# KiCad board BareDevRev2.kicad_pcb (continued)
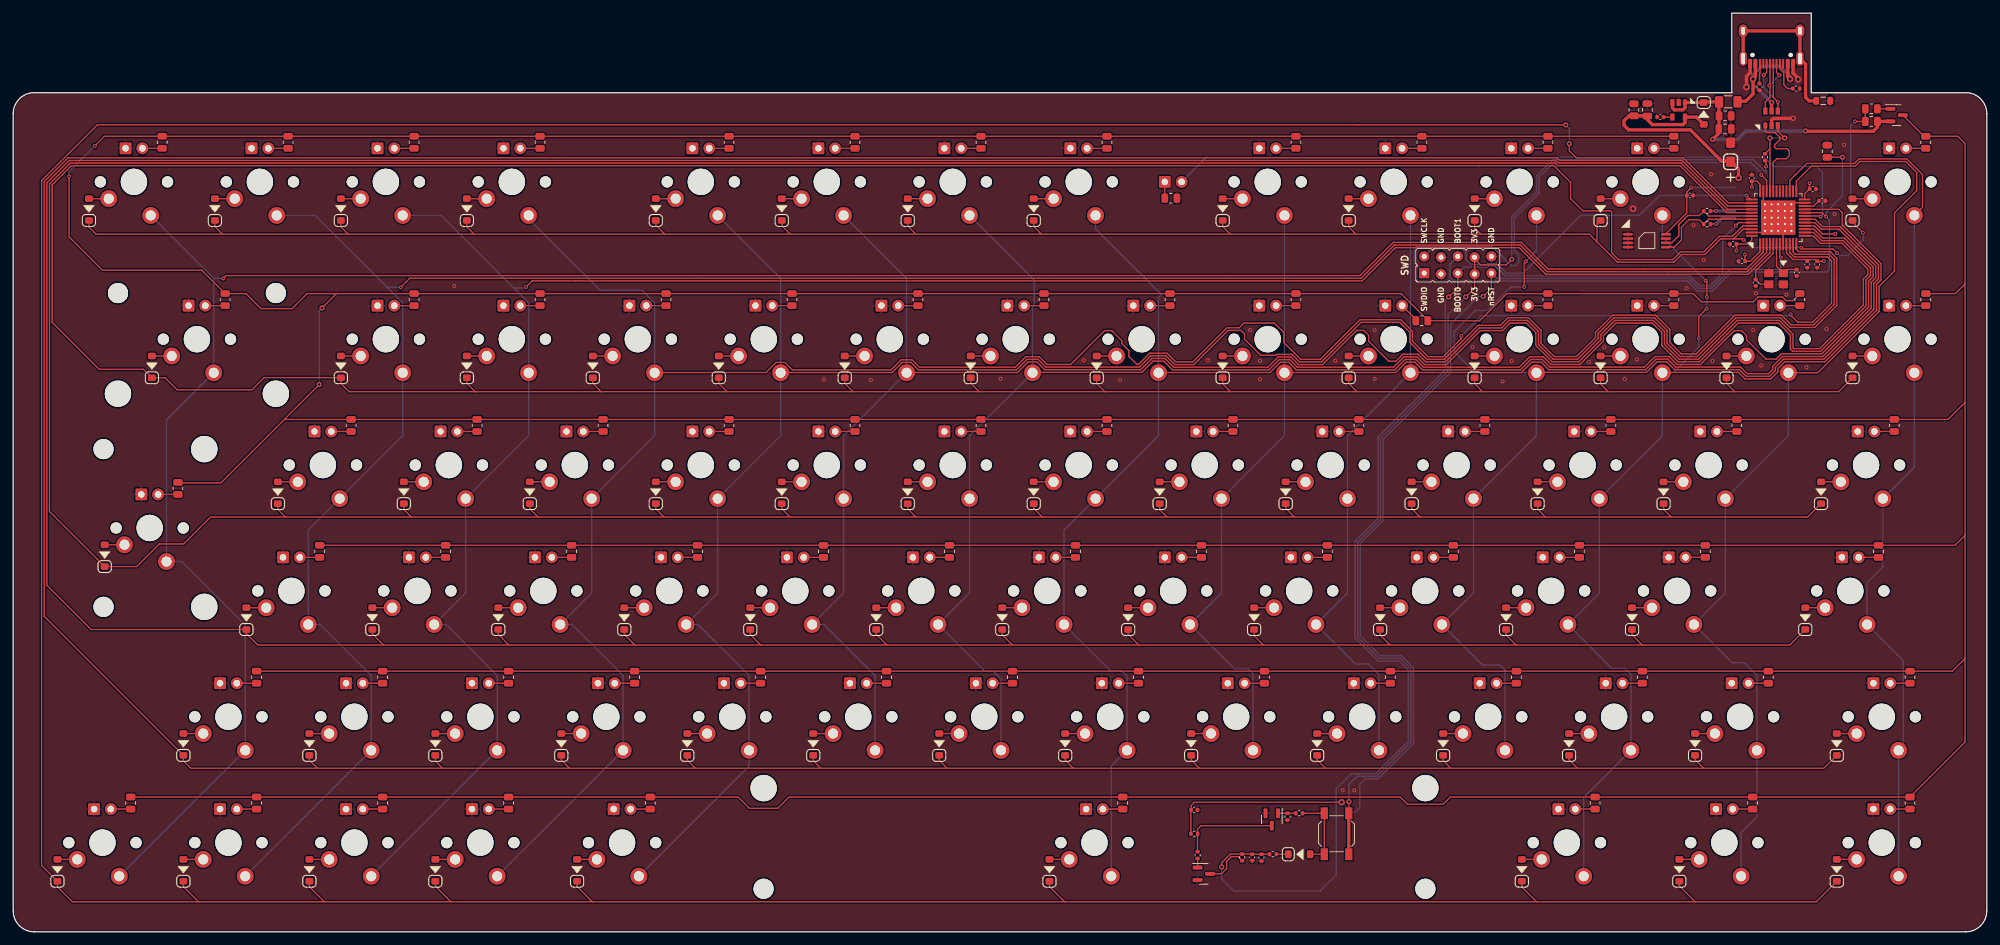
[diagram p0: board, top side]
## Library data of the parts
C1 = -: Package: C0402
C2-C4 C6 C7 C10 = -: Package: C0402; Specification: MLCC 10V or more
C5 = -: Description: Tantallum capacitor 10V or more; Package: CASE A (3216)
C8 C9 C11 = -: Description: MLCC 10V or more; Package: C0402
C201 C202 = -: Manufacturer: Guangdong Fenghua Advanced Tech; Manufacturer Part Number: 0805B105K500NT; Package: C0805; Specification: 50V 1uF X7R ±10% 0805 MLCC; Vendor Part Number: LCSC C215803
C203 = -: Manufacturer: Samsung; Manufacturer Part Number: CL05B103KB5NNNC; Package: C0402; Specification: 50V 10nF X7R ±10% 0402 MLCC; Vendor Part Number: LCSC C15195
C301 = -: Manufacturer: Samsung; Manufacturer Part Number: CL05A106MQ5NUNC; Package: C0402; Specification: 6.3V 10uF X5R ±20% 0402 MLCC; Vendor Part Number: LCSC C15525
C302 = -: Manufacturer: Samsung; Manufacturer Part Number: CL05B104KB54PNC; Package: C0402; Specification: 50V 100nF X7R ±10% 0402  MLCC; Vendor Part Number: LCSC C307331
D201 = -: Manufacturer: Changjiang Electronics Tech; Package: SOD-123; Specification: 1A SOD-123 Schottky Barrier Diodes; Vendor Part Number: LCSC C8598
D301 = -: Manufacturer: Semtech; Package: SOD-123; Specification: Small-signal switching diodes; Vendor Part Number: LCSC C81598
F201 = -: Manufacturer: TECHFUSE; Package: F1206; Specification: 1A hold, 1.8A trip PTC resettable fuse; Vendor Part Number: LCSC C70082
FB401 = -: Manufacturer: Sunlord; Package: L0805; Specification: 600R @ 100MHz ferrite bead; Vendor Part Number: LCSC C1017
J401 = -: Manufacturer: Korean Hroparts; Manufacturer Part Number: TYPE-C-31-M-12; Package: 8.94x7.3mm; Specification: 16-pin USB 2.0 type C connector; Vendor Part Number: LCSC C165948
K_101-K_113 K_115-K_127 K_129-K_141 K_143-K_154 K_156-K_168 K_170-K_177 = -: Keycode: ESC
K_114 = -: Keycode: QUOTE
K_128 = -: Keycode: TAB
K_142 = -: Keycode: CAPS
K_155 = -: Keycode: LSHIFT
K_169 = -: Keycode: CTRL
Q301 Q302 = -: Manufacturer: Changjiang Electronics Tech; Package: SOT-23; Specification: N-channel signal MOSFET transistor; Vendor Part Number: LCSC C8545
R1 R2 R4 = -: Package: R0402
R101-R177 = -: Manufacturer: Uniroyal; Manufacturer Part Number: 0805W8F1001T5E; Package: R0805; Specification: ±1% 125mW Thick Film Resistors 150V 0805; Vendor Part Number: LCSC C17513
R201 R202 = -: Manufacturer: Uniroyal; Manufacturer Part Number: 0805W8F1003T5E; Package: R0805; Specification: ±1% 125mW Thick Film R0805 Resistors; Vendor Part Number: LCSC C149504
R301 = -: Manufacturer: Uniroyal; Manufacturer Part Number: 0402WGF3303TCE; Package: R0402; Specification: ±1% 1/16W Thick Film Resistors 50V 0402; Vendor Part Number: LCSC C25778
R302 = -: Manufacturer: Uniroyal; Manufacturer Part Number: 0402WGF1004TCE; Package: R0402; Specification: ±1% 1/16W Thick Film Resistors 50V 0402; Vendor Part Number: LCSC C26083
R303 R307 R308 = -: Manufacturer: Uniroyal; Manufacturer Part Number: 0402WGF1002TCE; Package: R0402; Specification: ±1% 1/16W Thick Film Resistors 50V 0402; Vendor Part Number: LCSC C25744
R304-R306 = -: Manufacturer: Uniroyal; Manufacturer Part Number: 0402WGF1000TCE; Package: R0402; Specification: ±1% 1/16W Thick Film Resistors 50V 0402; Vendor Part Number: LCSC C25076
R401 R402 = -: Manufacturer: Uniroyal; Manufacturer Part Number: 0402WGF5101TCE; Package: R0402; Specification: ±1% 1/16W Thick Film Resistors 50V 0805; Vendor Part Number: LCSC C25905
SW301 = -: Manufacturer: Korean Hroparts; Package: 5.0x5.0mm; Specification: 5.2mm 1.5mm Round Button SPST; Vendor Part Number: LCSC C92584
U1 = -: Description: TSSOP-8 non-volatile 256Kb (32K x 8) I2C EEPROM; Manufacturer: Shanghai Belling; Package: TSSOP-8; Vendor Part Number: LCSC C691875 (https://lcsc.com/product-detail/EEPROM_BL-Shanghai-Belling-BL24C256A-NTRC_C691875.html)
U2 = -: Description: 32-bit ARM Cortex-M0+ 128kBytes flash microcontroller; Manufacturer: STMicroelectronics; Manufacturer Part Number: STM32F411; Package: UFQFPN-48
U3 = -: Manufacturer: STMicroelectronics; Package: SOT-23-6; Specification: Unidirectional ESD TVS diode; Vendor Part Number: LCSC C7519
U201 = -: Manufacturer: SGMICRO; Package: SOT-23-5; Specification: Fixed 5.5V 3.3V 300mV @ 300mA SOT-23-5 Low Dropout Regulator; Vendor Part Number: LCSC C193687
X1 = -: Specification: 2.54mm pitch 2x4 through hole pin header, staggered
Y1 = -: Description: 8MHz 3225-4P oscillator crystal; Manufacturer: XTY; Package: Y_3225_4P; Vendor Part Number: LCSC C389817 (https://lcsc.com/product-detail/Crystals_XTY-7325-0800A2010-00_C389817.html)

## Footprints (pads in the part's own frame, mm; a bottom-side part is the same pattern mirrored in y, then rotated)
C_0402_1005Metric
  rrect 0.56x0.62 smd: 1(-0.48,0) 2(0.48,0)
C_0805_2012Metric
  rrect 1x1.45 smd: 1(-0.95,0) 2(0.95,0)
CP_EIA-3216-10_Kemet-I_Pad1.58x1.35mm_HandSolder
  rrect 1.575x1.35 smd: 1(-1.438,0) 2(1.438,0)
Crystal_SMD_3225-4Pin_3.2x2.5mm
  rect 1.4x1.2 smd: 1(-1.1,-0.85) 2(1.1,-0.85) 3(1.1,0.85) 4(-1.1,0.85)
D_SOD-123
  rrect 1x1.2 smd: 1(-1.65,0) 2(1.65,0)
Fuse_1206_3216Metric
  rrect 1.25x1.75 smd: 1(-1.4,0) 2(1.4,0)
K2-1187SQ-A4SW-06
  rect 1.8x1.1 smd: 1(-3.1,1.85) 1(3.1,1.85) 2(-3.1,-1.85) 2(3.1,-1.85)
L_0805_2012Metric
  rrect 0.875x1.2 smd: 1(-1.062,0) 2(1.062,0)
LED_THT_2.54mm
  round 0.889 smd: (-1.27,0) (1.27,0)
  round 1.778 hole 1.016: A(-1.27,0)
  rrect 1.778x1.778 hole 0.991: K(1.27,0)
MX100
  round 1.702 hole 1.702 unplated: (-5.08,0) (5.08,0)
  round 1.524 smd: (-2.54,5.08) (3.81,2.54)
  round 3.988 hole 3.988 unplated: (0,0)
  round 2.54 hole 1.524: 1(-2.54,5.08) 2(3.81,2.54)
MX125
  round 1.702 hole 1.702 unplated: (-5.08,0) (5.08,0)
  round 1.524 smd: (-2.54,5.08) (3.81,2.54)
  round 3.988 hole 3.988 unplated: (0,0)
  round 2.54 hole 1.524: 1(-2.54,5.08) 2(3.81,2.54)
MX150
  round 1.702 hole 1.702 unplated: (-5.08,0) (5.08,0)
  round 1.524 smd: (-2.54,5.08) (3.81,2.54)
  round 3.988 hole 3.988 unplated: (0,0)
  round 2.54 hole 1.524: 1(-2.54,5.08) 2(3.81,2.54)
MX175
  round 1.702 hole 1.702 unplated: (-5.08,0) (5.08,0)
  round 1.524 smd: (-2.54,5.08) (3.81,2.54)
  round 3.988 hole 3.988 unplated: (0,0)
  round 2.54 hole 1.524: 1(-2.54,5.08) 2(3.81,2.54)
MX200R
  round 3.988 hole 3.988 unplated: (-11.938,8.255) (0,0) (11.938,8.255)
  round 3.048 hole 3.048 unplated: (-11.938,-6.985) (11.938,-6.985)
  round 1.702 hole 1.702 unplated: (-5.08,0) (5.08,0)
  round 1.524 smd: (-2.54,5.08) (3.81,2.54)
  round 2.54 hole 1.524: 1(-2.54,5.08) 2(3.81,2.54)
MX625
  round 3.048 hole 3.048 unplated: (-50.038,6.985) (50.038,6.985)
  round 3.988 hole 3.988 unplated: (-50.038,-8.255) (0,0) (50.038,-8.255)
  round 1.702 hole 1.702 unplated: (-5.08,0) (5.08,0)
  round 1.524 smd: (-2.54,5.08) (3.81,2.54)
  round 2.54 hole 1.524: 1(-2.54,5.08) 2(3.81,2.54)
MX_ISOEnter
  round 3.988 hole 3.988 unplated: (-8.255,11.938) (-8.255,-11.938) (0,0)
  round 1.702 hole 1.702 unplated: (-5.08,0) (5.08,0)
  round 1.524 smd: (-2.54,5.08) (3.81,2.54)
  round 3.048 hole 3.048 unplated: (6.985,11.938) (6.985,-11.938)
  round 2.54 hole 1.524: 1(-2.54,5.08) 2(3.81,2.54)
PinHeader_2x5_P2.54mm_Vertical_Staggered
  rect 1.524x1.524 hole 0.762: 1(-1.206,5.08)
  oval 1.524x1.524 hole 0.762: 2(1.333,5.08) 3(-1.333,2.54) 4(1.206,2.54) 5(-1.206,0) 6(1.333,0) 7(-1.333,-2.54) 8(1.206,-2.54) 9(-1.206,-5.08) 10(1.333,-5.08)
R_0402_1005Metric
  rrect 0.54x0.64 smd: 1(-0.51,0) 2(0.51,0)
R_0805_2012Metric
  rrect 1.025x1.4 smd: 1(-0.912,0) 2(0.912,0)
SOT-23
  rrect 1.475x0.6 smd: 1(-0.938,0.95) 2(-0.938,-0.95) 3(0.938,0)
SOT-23-5
  rrect 1.06x0.65 smd: 1(-1.1,0.95)
  rect 1.06x0.65 smd: 2(-1.1,0) 3(-1.1,-0.95) 4(1.1,-0.95) 5(1.1,0.95)
SOT-23-6
  rrect 1.06x0.65 smd: 1(-1.1,0.95)
  rect 1.06x0.65 smd: 2(-1.1,0) 3(-1.1,-0.95) 4(1.1,-0.95) 5(1.1,0) 6(1.1,0.95)
STM_UFQFPN-48_LQFP-48-1EP_7x7mm_P0.5mm_HandSoldering_ThermalReliefs
  rrect 1.1x1.1 smd: (-2.04,2.04) (-2.04,0.68) (-2.04,-0.68) (-2.04,-2.04) (-0.68,2.04) (-0.68,0.68) (-0.68,-0.68) (-0.68,-2.04) (0.68,2.04) (0.68,0.68) (0.68,-0.68) (0.68,-2.04) (2.04,2.04) (2.04,0.68) (2.04,-0.68) (2.04,-2.04)
  rrect 1.8x0.3 smd: 1(-4,2.75)
  rect 1.8x0.3 smd: 2(-4,2.25) 3(-4,1.75) 4(-4,1.25) 5(-4,0.75) 6(-4,0.25) 7(-4,-0.25) 8(-4,-0.75) 9(-4,-1.25) 10(-4,-1.75) 11(-4,-2.25) 12(-4,-2.75) 25(4,-2.75) 26(4,-2.25) 27(4,-1.75) 28(4,-1.25) 29(4,-0.75) 30(4,-0.25) 31(4,0.25) 32(4,0.75) 33(4,1.25) 34(4,1.75) 35(4,2.25) 36(4,2.75)
  rect 0.3x1.8 smd: 13(-2.75,-4) 14(-2.25,-4) 15(-1.75,-4) 16(-1.25,-4) 17(-0.75,-4) 18(-0.25,-4) 19(0.25,-4) 20(0.75,-4) 21(1.25,-4) 22(1.75,-4) 23(2.25,-4) 24(2.75,-4) 37(2.75,4) 38(2.25,4) 39(1.75,4) 40(1.25,4) 41(0.75,4) 42(0.25,4) 43(-0.25,4) 44(-0.75,4) 45(-1.25,4) 46(-1.75,4) 47(-2.25,4) 48(-2.75,4)
  round 0.6 hole 0.3: 47(-2,2) 47(-2,1) 47(-2,0) 47(-2,-1) 47(-2,-2) 47(-1,2) 47(-1,1) 47(-1,0) 47(-1,-1) 47(-1,-2) 47(0,2) 47(0,1) 47(0,0) 47(0,-1) 47(0,-2) 47(1,2) 47(1,1) 47(1,0) 47(1,-1) 47(1,-2) 47(2,2) 47(2,1) 47(2,0) 47(2,-1) 47(2,-2)
  rect 5.2x5.2 smd: 49(0,0)
TSSOP-8_4.4x3mm_P0.65mm
  rrect 1.475x0.4 smd: 1(-2.862,0.975)
  rect 1.475x0.4 smd: 2(-2.862,0.325) 3(-2.862,-0.325) 4(-2.862,-0.975) 5(2.862,-0.975) 6(2.862,-0.325) 7(2.862,0.325) 8(2.862,0.975)
USB_C_Receptacle_Hroparts_TYPE-C-31-M-12
  round 0.65 hole 0.65 unplated: (-2.89,-2.051) (2.89,-2.051)
  rrect 0.6x1.45 smd: A1(-3.25,-0.725) A4(-2.45,-0.725) B1(3.25,-0.725) B4(2.45,-0.725)
  rrect 0.3x1.45 smd: A5(-1.25,-0.725) A6(-0.254,-0.725) A7(0.25,-0.725) A8(1.25,-0.725) B5(1.75,-0.725) B6(0.75,-0.725) B7(-0.75,-0.725) B8(-1.75,-0.725)
  oval 1.1x2.2 hole 0.6x1.7: S(-4.3,-1.5) S(4.3,-1.5)
  oval 1.3x1.9 hole 0.6x1.2: S(-4.3,-5.7) S(4.3,-5.7)

## Nets
3V3: C1.2 C2.1 C3.1 C4.2 C5.1 C6.1 C7.1 C10.2 C202.1 D201.2 R1.1 R2.1 R4.1 R202.1 SW301.1 U1.8 U2.1 U2.9 U2.24 U2.36 U2.48 U201.5 X1.7 X1.8
5V: C201.1 D201.1 F201.1 Q1.2 R6.2 R201.1 U201.1 U201.3
GND: C1.1 C2.2 C3.2 C4.1 C5.2 C6.2 C7.2 C8.2 C9.2 C10.1 C11.1 C201.2 C202.2 C203.1 C301.2 C302.2 FB401.1 J401.A1 J401.B1 LED101.K LED102.K LED103.K LED104.K LED105.K LED106.K LED107.K LED108.K LED109.K LED110.K LED111.K LED112.K LED113.K LED114.K LED115.K LED116.K LED117.K LED118.K LED119.K LED120.K LED121.K LED122.K LED123.K LED124.K LED125.K LED126.K LED127.K LED128.K LED129.K LED130.K LED131.K LED132.K LED133.K LED134.K LED135.K LED136.K LED137.K LED138.K LED139.K LED140.K LED141.K LED142.K LED143.K LED144.K LED145.K LED146.K LED147.K LED148.K LED149.K LED150.K LED151.K LED152.K LED153.K LED154.K LED155.K LED156.K LED157.K LED158.K LED159.K LED160.K LED161.K LED162.K LED163.K LED164.K LED165.K LED166.K LED167.K LED168.K LED169.K LED170.K LED171.K LED172.K LED173.K LED174.K LED175.K LED176.K LED177.K Q301.2 Q302.2 R7.2 R201.2 R202.2 R302.2 R307.1 R308.2 R401.1 R402.2 U1.1 U1.2 U1.3 U1.4 U1.7 U2.8 U2.23 U2.35 U2.47 U2.49 U3.2 U201.2 X1.3 X1.4 X1.10 Y1.2 Y1.4
GNDPWR: FB401.2 J401.S
VBUS: F201.2 J401.A4 J401.B4 U3.5
/VLED: Q1.3 R101.1 R102.1 R103.1 R104.1 R105.1 R106.1 R107.1 R108.1 R109.1 R110.1 R111.1 R112.1 R113.1 R114.1 R115.1 R116.1 R117.1 R118.1 R119.1 R120.1 R121.1 R122.1 R123.1 R124.1 R125.1 R126.1 R127.1 R128.1 R129.1 R130.1 R131.1 R132.1 R133.1 R134.1 R135.1 R136.1 R137.1 R138.1 R139.1 R140.1 R141.1 R142.1 R143.1 R144.1 R145.1 R146.1 R147.1 R148.1 R149.1 R150.1 R151.1 R152.1 R153.1 R154.1 R155.1 R156.1 R157.1 R158.1 R159.1 R160.1 R161.1 R162.1 R163.1 R164.1 R165.1 R166.1 R167.1 R168.1 R169.1 R170.1 R171.1 R172.1 R173.1 R174.1 R175.1 R176.1 R177.1
BOOT0: C301.1 R301.1 R302.1 R303.2 U2.44 X1.5
CAPS_INDICATOR: LED1.A U2.19
COL0: K_101.1 K_114.1 K_128.1 K_142.1 K_155.1 K_169.1 U2.27
COL1: K_115.1 K_129.1 K_143.1 K_156.1 K_170.1 U2.25
COL2: K_102.1 K_116.1 K_130.1 K_144.1 K_157.1 K_171.1 U2.21
COL3: K_103.1 K_117.1 K_131.1 K_145.1 K_158.1 U2.18
COL4: K_104.1 K_118.1 K_132.1 K_146.1 K_159.1 U2.17
COL5: K_105.1 K_119.1 K_133.1 K_147.1 K_160.1 U2.15
COL6: K_106.1 K_120.1 K_134.1 K_148.1 K_161.1 K_172.1 U2.14
COL7: K_107.1 K_121.1 K_135.1 K_149.1 K_162.1 U2.13
COL8: K_108.1 K_122.1 K_136.1 K_150.1 K_163.1 U2.12
COL9: K_109.1 K_123.1 K_137.1 K_151.1 K_164.1 K_173.1 U2.11
COL10: K_110.1 K_124.1 K_138.1 K_152.1 K_165.1 K_174.1 U2.10
COL11: K_111.1 K_125.1 K_139.1 K_153.1 K_166.1 K_175.1 U2.4
COL12: K_112.1 K_126.1 K_140.1 K_154.1 K_167.1 K_176.1 U2.3
COL13: K_113.1 K_127.1 K_141.1 K_168.1 K_177.1 U2.2
D+: R4.2 U2.33 U3.3
D-: U2.32 U3.1
DBUS+: J401.A6 J401.B6 U3.4
DBUS-: J401.A7 J401.B7 U3.6
LED_PWM: R5.2 R6.1 U2.16
NRST: C302.1 R305.2 U2.7 X1.9
PB2/BOOT1: R308.1 U2.20 X1.6
ROW0: D_101.1 D_102.1 D_103.1 D_104.1 D_105.1 D_106.1 D_107.1 D_108.1 D_109.1 D_110.1 D_111.1 D_112.1 D_113.1 U2.46
ROW1: D_114.1 D_115.1 D_116.1 D_117.1 D_118.1 D_119.1 D_120.1 D_121.1 D_122.1 D_123.1 D_124.1 D_125.1 D_126.1 D_127.1 U2.45
ROW2: D_128.1 D_129.1 D_130.1 D_131.1 D_132.1 D_133.1 D_134.1 D_135.1 D_136.1 D_137.1 D_138.1 D_139.1 D_140.1 D_141.1 U2.41
ROW3: D_142.1 D_143.1 D_144.1 D_145.1 D_146.1 D_147.1 D_148.1 D_149.1 D_150.1 D_151.1 D_152.1 D_153.1 D_154.1 U2.40
ROW4: D_155.1 D_156.1 D_157.1 D_158.1 D_159.1 D_160.1 D_161.1 D_162.1 D_163.1 D_164.1 D_165.1 D_166.1 D_167.1 D_168.1 U2.39
ROW5: D_169.1 D_170.1 D_171.1 D_172.1 D_173.1 D_174.1 D_175.1 D_176.1 D_177.1 U2.38
SCL: R2.2 U1.6 U2.42
SDA: R1.2 U1.5 U2.43
SWCLK: U2.37 X1.2
SWDIO: U2.34 X1.1
XTAL_IN: C9.1 U2.5 Y1.3
XTAL_OUT: C8.1 U2.6 Y1.1
Net-(C11-Pad2): C11.2 U2.22
Net-(C203-Pad2): C203.2 U201.4
Net-(D301-Pad1): D301.1 R301.2
Net-(D301-Pad2): D301.2 R306.2 SW301.2
Net-(D_101-Pad2): D_101.2 K_101.2
Net-(D_102-Pad2): D_102.2 K_102.2
Net-(D_103-Pad2): D_103.2 K_103.2
Net-(D_104-Pad2): D_104.2 K_104.2
Net-(D_105-Pad2): D_105.2 K_105.2
Net-(D_106-Pad2): D_106.2 K_106.2
Net-(D_107-Pad2): D_107.2 K_107.2
Net-(D_108-Pad2): D_108.2 K_108.2
Net-(D_109-Pad2): D_109.2 K_109.2
Net-(D_110-Pad2): D_110.2 K_110.2
Net-(D_111-Pad2): D_111.2 K_111.2
Net-(D_112-Pad2): D_112.2 K_112.2
Net-(D_113-Pad2): D_113.2 K_113.2
Net-(D_114-Pad2): D_114.2 K_114.2
Net-(D_115-Pad2): D_115.2 K_115.2
Net-(D_116-Pad2): D_116.2 K_116.2
Net-(D_117-Pad2): D_117.2 K_117.2
Net-(D_118-Pad2): D_118.2 K_118.2
Net-(D_119-Pad2): D_119.2 K_119.2
Net-(D_120-Pad2): D_120.2 K_120.2
Net-(D_121-Pad2): D_121.2 K_121.2
Net-(D_122-Pad2): D_122.2 K_122.2
Net-(D_123-Pad2): D_123.2 K_123.2
Net-(D_124-Pad2): D_124.2 K_124.2
Net-(D_125-Pad2): D_125.2 K_125.2
Net-(D_126-Pad2): D_126.2 K_126.2
Net-(D_127-Pad2): D_127.2 K_127.2
Net-(D_128-Pad2): D_128.2 K_128.2
Net-(D_129-Pad2): D_129.2 K_129.2
Net-(D_130-Pad2): D_130.2 K_130.2
Net-(D_131-Pad2): D_131.2 K_131.2
Net-(D_132-Pad2): D_132.2 K_132.2
Net-(D_133-Pad2): D_133.2 K_133.2
Net-(D_134-Pad2): D_134.2 K_134.2
Net-(D_135-Pad2): D_135.2 K_135.2
Net-(D_136-Pad2): D_136.2 K_136.2
Net-(D_137-Pad2): D_137.2 K_137.2
Net-(D_138-Pad2): D_138.2 K_138.2
Net-(D_139-Pad2): D_139.2 K_139.2
Net-(D_140-Pad2): D_140.2 K_140.2
Net-(D_141-Pad2): D_141.2 K_141.2
Net-(D_142-Pad2): D_142.2 K_142.2
Net-(D_143-Pad2): D_143.2 K_143.2
Net-(D_144-Pad2): D_144.2 K_144.2
Net-(D_145-Pad2): D_145.2 K_145.2
Net-(D_146-Pad2): D_146.2 K_146.2
Net-(D_147-Pad2): D_147.2 K_147.2
Net-(D_148-Pad2): D_148.2 K_148.2
Net-(D_149-Pad2): D_149.2 K_149.2
Net-(D_150-Pad2): D_150.2 K_150.2
Net-(D_151-Pad2): D_151.2 K_151.2
Net-(D_152-Pad2): D_152.2 K_152.2
Net-(D_153-Pad2): D_153.2 K_153.2
Net-(D_154-Pad2): D_154.2 K_154.2
Net-(D_155-Pad2): D_155.2 K_155.2
Net-(D_156-Pad2): D_156.2 K_156.2
Net-(D_157-Pad2): D_157.2 K_157.2
Net-(D_158-Pad2): D_158.2 K_158.2
Net-(D_159-Pad2): D_159.2 K_159.2
Net-(D_160-Pad2): D_160.2 K_160.2
Net-(D_161-Pad2): D_161.2 K_161.2
Net-(D_162-Pad2): D_162.2 K_162.2
Net-(D_163-Pad2): D_163.2 K_163.2
Net-(D_164-Pad2): D_164.2 K_164.2
Net-(D_165-Pad2): D_165.2 K_165.2
Net-(D_166-Pad2): D_166.2 K_166.2
Net-(D_167-Pad2): D_167.2 K_167.2
Net-(D_168-Pad2): D_168.2 K_168.2
Net-(D_169-Pad2): D_169.2 K_169.2
Net-(D_170-Pad2): D_170.2 K_170.2
Net-(D_171-Pad2): D_171.2 K_171.2
Net-(D_172-Pad2): D_172.2 K_172.2
Net-(D_173-Pad2): D_173.2 K_173.2
Net-(D_174-Pad2): D_174.2 K_174.2
Net-(D_175-Pad2): D_175.2 K_175.2
Net-(D_176-Pad2): D_176.2 K_176.2
Net-(D_177-Pad2): D_177.2 K_177.2
Net-(J401-PadA5): J401.A5 R401.2
Net-(J401-PadB5): J401.B5 R402.1
Net-(LED1-PadK): LED1.K R7.1
Net-(LED101-PadA): LED101.A R101.2
Net-(LED102-PadA): LED102.A R102.2
Net-(LED103-PadA): LED103.A R103.2
Net-(LED104-PadA): LED104.A R104.2
Net-(LED105-PadA): LED105.A R105.2
Net-(LED106-PadA): LED106.A R106.2
Net-(LED107-PadA): LED107.A R107.2
Net-(LED108-PadA): LED108.A R108.2
Net-(LED109-PadA): LED109.A R109.2
Net-(LED110-PadA): LED110.A R110.2
Net-(LED111-PadA): LED111.A R111.2
Net-(LED112-PadA): LED112.A R112.2
Net-(LED113-PadA): LED113.A R113.2
Net-(LED114-PadA): LED114.A R114.2
Net-(LED115-PadA): LED115.A R115.2
Net-(LED116-PadA): LED116.A R116.2
Net-(LED117-PadA): LED117.A R117.2
Net-(LED118-PadA): LED118.A R118.2
Net-(LED119-PadA): LED119.A R119.2
Net-(LED120-PadA): LED120.A R120.2
Net-(LED121-PadA): LED121.A R121.2
Net-(LED122-PadA): LED122.A R122.2
Net-(LED123-PadA): LED123.A R123.2
Net-(LED124-PadA): LED124.A R124.2
Net-(LED125-PadA): LED125.A R125.2
Net-(LED126-PadA): LED126.A R126.2
Net-(LED127-PadA): LED127.A R127.2
Net-(LED128-PadA): LED128.A R128.2
Net-(LED129-PadA): LED129.A R129.2
Net-(LED130-PadA): LED130.A R130.2
Net-(LED131-PadA): LED131.A R131.2
Net-(LED132-PadA): LED132.A R132.2
Net-(LED133-PadA): LED133.A R133.2
Net-(LED134-PadA): LED134.A R134.2
Net-(LED135-PadA): LED135.A R135.2
Net-(LED136-PadA): LED136.A R136.2
Net-(LED137-PadA): LED137.A R137.2
Net-(LED138-PadA): LED138.A R138.2
Net-(LED139-PadA): LED139.A R139.2
Net-(LED140-PadA): LED140.A R140.2
Net-(LED141-PadA): LED141.A R141.2
Net-(LED142-PadA): LED142.A R142.2
Net-(LED143-PadA): LED143.A R143.2
Net-(LED144-PadA): LED144.A R144.2
Net-(LED145-PadA): LED145.A R145.2
Net-(LED146-PadA): LED146.A R146.2
Net-(LED147-PadA): LED147.A R147.2
Net-(LED148-PadA): LED148.A R148.2
Net-(LED149-PadA): LED149.A R149.2
Net-(LED150-PadA): LED150.A R150.2
Net-(LED151-PadA): LED151.A R151.2
Net-(LED152-PadA): LED152.A R152.2
Net-(LED153-PadA): LED153.A R153.2
Net-(LED154-PadA): LED154.A R154.2
Net-(LED155-PadA): LED155.A R155.2
Net-(LED156-PadA): LED156.A R156.2
Net-(LED157-PadA): LED157.A R157.2
Net-(LED158-PadA): LED158.A R158.2
Net-(LED159-PadA): LED159.A R159.2
Net-(LED160-PadA): LED160.A R160.2
Net-(LED161-PadA): LED161.A R161.2
Net-(LED162-PadA): LED162.A R162.2
Net-(LED163-PadA): LED163.A R163.2
Net-(LED164-PadA): LED164.A R164.2
Net-(LED165-PadA): LED165.A R165.2
Net-(LED166-PadA): LED166.A R166.2
Net-(LED167-PadA): LED167.A R167.2
Net-(LED168-PadA): LED168.A R168.2
Net-(LED169-PadA): LED169.A R169.2
Net-(LED170-PadA): LED170.A R170.2
Net-(LED171-PadA): LED171.A R171.2
Net-(LED172-PadA): LED172.A R172.2
Net-(LED173-PadA): LED173.A R173.2
Net-(LED174-PadA): LED174.A R174.2
Net-(LED175-PadA): LED175.A R175.2
Net-(LED176-PadA): LED176.A R176.2
Net-(LED177-PadA): LED177.A R177.2
Net-(Q1-Pad1): Q1.1 R5.1
Net-(Q301-Pad1): Q301.1 R304.2
Net-(Q301-Pad3): Q301.3 R303.1
Net-(Q302-Pad1): Q302.1 R306.1 R307.2
Net-(Q302-Pad3): Q302.3 R304.1 R305.1

Pads without a net: J401 A8 B8; U2 26 28 29 30 31

## Via types
v1: diameter 0.6, hole 0.3, Top to Bottom, 73 vias
v2: diameter 1, hole 0.5, Top to Bottom, 7 vias
v3: diameter 0.8, hole 0.4, Top to Bottom, 17 vias

## Routing (per net, layer and track width the routed paths; a pad name or vN(x,y) marks a point on that pad's centre or on a via; arc(x,y) is an arc through that point)
3V3: length 250.8
  Top w0.2: v1(260.59,103.1) C3.1 262.31,104.1 262.91,104.7 U2.48 ; C4.2 263.69,113.62 264.16,113.15 U2.36 ; SW301.1 201.99,17.96 v3(201.99,19.7) ; v1(271.66,113.3) C10.2 270.91,111.7 U2.24 ; U2.9 268.16,102.75 269.16,101.75 271.05,101.75 ; U1.8 249.91,105.65 253.08,108.81 C1.2 253.08,111.97 v1(253.76,112.65) ; v1(261.89,102.5) C2.1 262.7,101.5 264.16,102.96 U2.1 ; v3(219.66,96.09) 221,97.43 X1.7 X1.8 221,101.8 221.85,100.94 225.78,100.94 v3(226.6,101.77) ; v1(273.81,101.5) C6.1 272.55,101.75 271.05,101.75 ; 262.94,113.62 v1(262.94,112.7) ; R4.1 265.06,116.58 v1(265.06,115.85) ; 271.05,101.75 C7.1 ; R2.1 v1(257.51,109.1) ; 256.67,107.15 v1(257.56,107.15)
  Top w0.5: v2(260.91,114.1) 260.91,115.46 259.81,116.56 C5.1 259.61,116.66 258.34,116.66 253.63,121.37 244.28,121.37 243.59,122.07 243.59,122.76 244.33,123.5 R202.1 247.09,123.5 C202.1 247.12,122.93 247.88,122.17 252.51,122.17 252.81,122.47 U201.5 254.54,123.32 D201.2 ; SW301.1 SW301.1
  Bottom w0.2: v3(226.6,101.77) 226.6,108.2 230.36,111.95 230.36,114.37 232.84,116.84 263.16,116.84 265.06,114.94 v1(265.06,115.85) ; v3(201.99,19.7) 201.99,22.29 203.21,23.52 206.2,23.52 211.36,28.67 211.36,39.79 209.75,41.4 206.53,41.4 203.31,44.63 203.31,58.95 206.77,62.42 206.77,74.68 216.96,84.87 216.96,93.4 v3(219.66,96.09) ; v1(253.76,112.65) 260.51,112.65
  Bottom w0.5: 260.31,108.1 258.51,108.1 v1(257.56,107.15) ; v1(257.51,109.1) 260.31,109.1
5V: length 43.6
  Top w0.5: U201.3 250.91,124.71 251.21,124.42 252.52,124.42 252.81,124.71 U201.1 D201.1 255.74,125.62 F201.1 R201.1 257.96,121.56 ; Q1.2 R6.2 281.91,121.78 281.29,121.17 271.06,121.17 v3(271.03,121.2) ; v3(256.99,119.93) 257.92,120.87 C201.1
  Bottom w0.5: v3(256.99,119.93) 260.72,119.93 262,121.21 271.01,121.21 v3(271.03,121.2)
GND: length 18.8
  Top w0.2: U2.8 267.66,106.15 ; U2.23 268.86,110.35 ; U2.35 264.66,110.05 ; U2.47 264.96,105.85
  Top w0.5: J401.B1 262.66,130.01 262.11,129.46 v2(262.11,127.86) ; v3(269.16,123.12) 266.2,123.12 265.91,122.83 U3.2 ; v2(269.91,129.02) 269.91,129.2 269.16,129.96 J401.A1
  vias: v1(66.7,97.73) v1(122.61,83.58) v1(129.7,83.53) v1(149.3,83.71) v1(161.88,86.5) v1(167.39,83.56) v1(180.67,86.5) v1(187.05,91.1) v1(188.55,86.4) v1(188.55,83.63) v1(199.93,86.43) v1(201.04,21.4) v1(202.8,21.4) v1(205.87,91.05) v1(205.9,83.71) v1(220.68,88.51) v1(225.23,83.3) v1(226.6,86.37) v1(238.28,86.25) v1(240.62,88.48) v1(243.69,83.66) v1(245.55,86.6) v1(253.06,97.42) v1(254.11,106.95) v1(255.64,101.68) v1(256.76,114.65) v1(256.95,86.4) v1(263.12,91.1) v1(263.56,96.65) v1(264.34,85.71) v1(268.16,96.45) v1(271.17,85.44) v1(274.22,91.23) v1(275.43,108.65) v1(276.91,119.1) v2(244.96,109.45)
GNDPWR: length 25
  Top w0.5: FB401.2 271.58,125.77 271.05,126.31 271.05,131.32 J401.S J401.S J401.S J401.S
VBUS: length 22.9
  Top w0.5: v2(263.11,129.06) 263.11,126.82 262,125.72 260.86,125.72 F201.2 ; J401.A4 268.36,129.41 ; U3.5 v3(265.91,125.53) ; J401.B4 263.46,129.41
  Bottom w0.5: v2(268.71,129.06) 268.71,129.53 267.23,131.01 264.44,131.01 263.11,129.67 v2(263.11,129.06) 263.11,128.33 v3(265.91,125.53)
/VLED: length 1724.6
  Top w0.2: 295.16,98.06 295.16,80.14 ; 295.16,98.06 293.7,96.6 R114.1 ; 295.16,98.06 295.16,119.31 294.07,120.41 R101.1 288.96,120.41 Q1.3 ; 295.16,80.14 292.57,77.55 R128.1 R129.1 R130.1 R131.1 R132.1 R133.1 R134.1 R135.1 R136.1 R137.1 R138.1 R139.1 R140.1 41.01,77.55 ; 295.16,80.14 295.16,60.02 ; 48.84,96.6 48.84,96.56 v3(46.7,94.42) ; 48.84,96.6 R126.1 R125.1 R124.1 R123.1 R122.1 R121.1 R120.1 R119.1 209.88,96.6 213.92,92.56 R118.1 221.75,92.48 225.86,96.6 R117.1 R116.1 254.04,96.6 255.29,95.35 263.11,95.35 263.84,96.08 267.55,96.08 268.08,95.55 269.12,95.55 R115.1 ; 48.84,96.6 44.45,96.6 42.17,94.32 37.46,94.32 35.19,96.6 R127.1 28.51,100.14 13.49,100.14 8.44,105.2 v1(8.44,114.34) ; R168.1 R167.1 R166.1 R165.1 R164.1 R163.1 R162.1 R161.1 R160.1 R159.1 R158.1 R157.1 R156.1 R155.1 293.24,39.45 295.16,41.37 ; v3(46.28,82.84) 41.01,77.57 41.01,77.55 ; 295.16,41.37 295.16,60.02 ; 295.16,41.37 295.16,28.72 R169.1 R170.1 R171.1 217.33,20.4 216.24,19.31 210.84,19.31 209.75,20.4 R172.1 167.78,20.4 117.32,20.4 115.61,18.69 111.33,18.69 109.62,20.4 R173.1 R174.1 R175.1 R176.1 R177.1 ; R141.1 24.99,67.94 31.41,67.94 41.01,77.55 ; 295.16,60.02 293.64,58.5 R142.1 R143.1 R144.1 R145.1 R146.1 R147.1 R148.1 R149.1 R150.1 R151.1 R152.1 R153.1 R154.1 ; R102.1 R103.1 R104.1 R105.1 R106.1 R107.1 R108.1 R109.1 R110.1 R111.1 R112.1 R113.1 13.8,120.41 v1(12.32,118.94)
  Bottom w0.2: v3(46.28,82.84) 46.28,94 v3(46.7,94.42) ; v1(12.32,118.94) 8.44,115.05 v1(8.44,114.34)
BOOT0: length 191.9
  Top w0.2: v1(260.51,106.9) 260.96,107.35 U2.44 ; X1.5 218.46,97.45 v3(217.08,96.07) ; v3(182.74,9.79) 182.74,10.47 184.04,11.77 R303.2 187.34,11.77 C301.1 R302.1 R301.1
  Bottom w0.2: X1.5 219.39,100.62 222.97,100.62 223.1,100.74 224.19,100.74 225.65,99.28 253.2,99.28 253.53,99.28 255.02,97.79 256.6,97.79 258.51,99.7 258.51,104.9 v1(260.51,106.9) ; v3(182.74,9.79) 182.74,8.04 184.61,6.17 197.6,6.17 200.07,8.63 200.07,21.65 202.33,23.92 206.03,23.92 210.96,28.84 210.96,39.63 209.58,41 206.37,41 202.91,44.46 202.91,59.12 206.37,62.58 206.37,74.84 216.56,85.04 216.56,95.56 v3(217.08,96.07)
CAPS_INDICATOR: length 108.7
  Top w0.2: U2.19 273.21,108.35 v1(273.32,108.23)
  Bottom w0.2: v1(273.32,108.23) 273.61,108.53 273.61,114.95 272.74,115.83 266.25,115.83 264.83,117.24 180.43,117.24 LED1.A
COL0: length 136.3
  Top w0.2: U2.27 268.66,113.74 269.5,114.58 269.51,114.58 271.22,116.3 278.41,116.3 279.1,116.98 286.36,116.98 288.74,114.61 288.74,109.67 K_101.1
  Bottom w0.2: K_101.1 K_114.1 287.5,70.33 K_128.1 282.73,55.24 280.35,52.85 K_142.1 285.81,41.05 285.81,28.16 K_155.1 K_169.1
COL1: length 150.7
  Top w0.2: K_115.1 272.89,84.61 282.17,93.89 282.17,97.68 284.48,99.99 284.48,108.8 287.86,112.18 287.86,114.92 286.2,116.58 279.26,116.58 278.58,115.9 271.95,115.9 269.66,113.61 U2.25
  Bottom w0.2: K_170.1 261.3,15.01 263.68,17.39 K_156.1 263.68,38.82 261.77,40.73 259.94,40.73 K_143.1 258.92,51.28 K_129.1 268.45,75.09 K_115.1
COL2: length 181.3
  Top w0.2: v1(256.11,96.08) 256.11,98.39 v1(255.93,98.57) ; v1(254.89,89.83) 254.89,93.13 v1(256.09,94.33) ; K_116.1 249.46,84.67 260.89,84.67 261.88,83.68 265.76,83.68 266.88,84.8 266.88,85.26 267.89,86.27 273.99,86.27 281.77,94.06 281.77,97.99 282.45,98.67 282.45,101.13 276.58,107 276.58,108.85 276.09,109.35 U2.21
  Bottom w0.2: K_102.1 249.4,105.1 v1(255.93,98.57) ; v1(256.11,96.08) 256.11,94.35 v1(256.09,94.33) ; K_171.1 237.49,20.32 K_157.1 244.63,38.94 243.67,39.9 241.72,39.9 K_144.1 239.87,51.28 K_130.1 249.4,75.09 K_116.1 251.02,84.61 254.89,88.48 v1(254.89,89.83)
COL3: length 188.4
  Top w0.2: K_117.1 230.41,84.67 246.99,84.67 248.59,86.27 250.07,86.27 251.27,85.07 261.05,85.07 262.04,84.08 265.6,84.08 266.48,84.96 266.48,85.43 267.72,86.67 273.82,86.67 281.37,94.22 281.37,98.16 282.05,98.83 282.05,100.97 276.27,106.75 273.6,106.75 272.5,107.85 U2.18 ; v1(228.73,101.46) 228.5,101.23 v1(228.5,97.6)
  Bottom w0.2: v1(228.5,97.6) 226.5,97.6 222.94,94.05 221.11,94.05 217.91,90.85 217.91,87.8 221.09,84.61 K_117.1 230.35,75.09 K_131.1 220.82,51.28 K_145.1 222.17,40.4 224.78,40.4 225.58,39.59 K_158.1 ; v1(228.73,101.46) 230.35,103.08 K_103.1
COL4: length 188.9
  Top w0.2: K_118.1 211.34,84.65 228.08,84.65 229.65,86.22 231.07,86.22 232.22,85.07 246.83,85.07 248.43,86.67 250.23,86.67 251.43,85.47 261.22,85.47 262.21,84.48 265.43,84.48 266.08,85.13 266.08,85.59 267.56,87.07 273.66,87.07 280.97,94.39 280.97,98.32 281.65,99 281.65,100.8 276.11,106.35 273.44,106.35 272.44,107.35 U2.17
  Bottom w0.2: K_159.1 206.53,38.93 204.93,40.54 202.99,40.54 K_146.1 201.77,51.28 K_132.1 201.77,75.09 K_118.1 K_104.1
COL5: length 210.4
  Top w0.2: K_119.1 192.29,84.65 209.08,84.65 210.65,86.22 211.94,86.22 213.11,85.05 227.91,85.05 229.48,86.62 231.23,86.62 232.38,85.47 246.66,85.47 248.26,87.07 250.4,87.07 251.6,85.87 255.15,85.87 260.27,90.99 261.36,90.99 262.13,90.23 262.13,89.61 265.05,86.68 266.6,86.68 267.39,87.47 273.49,87.47 280.57,94.56 280.57,98.49 281.25,99.16 281.25,100.64 276.88,105 273.65,105 272.31,106.35 U2.15
  Bottom w0.2: K_105.1 K_119.1 192.25,75.09 K_133.1 182.72,51.28 K_147.1 184.7,39.77 186.79,39.77 186.79,39.78 187.48,39.09 K_160.1
COL6: length 259.7
  Top w0.2: K_120.1 173.24,84.65 190.05,84.65 191.6,86.2 192.88,86.2 193.82,85.26 193.82,85.25 194.01,85.05 208.91,85.05 210.48,86.62 212.11,86.62 213.28,85.45 227.74,85.45 229.31,87.02 231.4,87.02 232.55,85.87 236.91,85.87 240.48,89.43 240.48,90.23 242.38,92.14 247.87,92.14 249.3,90.71 249.3,88.74 251.76,86.27 254.99,86.27 260.85,92.14 266.92,92.14 268.75,90.31 268.75,88.22 269.1,87.87 273.33,87.87 280.17,94.72 280.17,98.65 280.85,99.33 280.85,100.47 276.72,104.61 273.48,104.61 272.24,105.85 U2.14
  Bottom w0.2: K_172.1 166.05,25.08 K_161.1 168.43,38.7 167.6,39.54 165.89,39.54 K_148.1 158.91,60.8 K_134.1 173.2,75.09 K_120.1 173.2,95.99 173.65,96.44 163.67,106.42 K_106.1
COL7: length 263.2
  Top w0.2: U2.13 272.18,105.35 273.32,104.21 276.55,104.21 280.45,100.3 280.45,99.5 279.78,98.82 279.78,96.02 279.76,96 279.78,95.99 279.78,94.89 273.16,88.27 269.27,88.27 269.15,88.39 269.15,90.47 267.08,92.54 260.69,92.54 254.82,86.67 251.93,86.67 249.7,88.9 249.7,90.87 248.03,92.54 242.22,92.54 240.08,90.4 240.08,89.6 236.75,86.27 232.71,86.27 230.25,88.74 230.25,90.71 228.82,92.14 226.37,92.14 225.23,91 221.87,91 216.73,85.85 213.44,85.85 212.27,87.02 210.31,87.02 208.75,85.45 194.19,85.45 193.05,86.6 191.43,86.6 189.89,85.05 175.32,85.05 173.99,86.37 172.37,86.37 170.67,84.67 154.21,84.67 K_121.1
  Bottom w0.2: K_107.1 154.4,98.65 154.4,94.85 154.15,94.6 K_121.1 144.62,75.09 K_135.1 144.62,51.28 K_149.1 146.94,39.44 148.22,39.44 149.38,38.27 K_162.1
COL8: length 277.4
  Top w0.2: K_122.1 135.14,84.65 151.88,84.65 153.47,86.25 154.82,86.25 155.99,85.07 170.5,85.07 172.2,86.77 174.16,86.77 175.48,85.45 189.72,85.45 191.26,87 193.21,87 194.36,85.85 198,85.85 203.17,91.02 204.25,91.02 204.98,90.29 204.98,89.4 208.02,86.36 209.09,86.36 210.15,87.42 212.44,87.42 213.61,86.25 216.56,86.25 221.71,91.4 225.06,91.4 226.2,92.54 228.98,92.54 230.65,90.87 230.65,88.9 232.88,86.67 236.57,86.67 239.68,89.78 239.68,90.56 242.05,92.94 248.2,92.94 250.1,91.04 250.1,89.07 252.09,87.07 254.66,87.07 260.52,92.94 267.25,92.94 268.72,91.46 272.43,91.46 275.77,94.81 275.77,99.14 275.77,99.15 275.77,101.94 274.77,102.95 270.01,102.95 269.66,103.3 U2.12
  Bottom w0.2: K_163.1 130.33,38.78 122.6,46.51 K_150.1 125.57,51.28 K_136.1 125.57,75.09 K_122.1 135.1,98.9 K_108.1
COL9: length 326.8
  Top w0.2: U2.11 269.16,102.88 269.49,102.55 274.6,102.55 275.37,101.78 275.37,94.97 272.26,91.86 268.89,91.86 267.41,93.34 260.36,93.34 254.49,87.47 252.26,87.47 250.52,89.21 250.52,91.18 248.36,93.34 241.88,93.34 239.28,90.73 239.28,89.94 236.4,87.07 233.04,87.07 231.05,89.07 231.05,91.04 229.15,92.94 226.03,92.94 224.89,91.8 221.54,91.8 216.4,86.65 213.77,86.65 211.2,89.22 211.2,90.72 209.68,92.24 203.82,92.24 197.83,86.25 194.52,86.25 193.38,87.4 191.1,87.4 190.95,87.25 188.66,87.25 186.21,89.7 186.21,90.49 185.68,91.02 183.7,91.02 178.53,85.85 175.65,85.85 174.32,87.17 172.04,87.17 170.34,85.47 156.16,85.47 154.98,86.65 153.31,86.65 151.71,85.05 136.89,85.05 135.76,86.18 134.45,86.18 132.92,84.65 116.09,84.65 K_123.1
  Bottom w0.2: K_109.1 116.05,98.9 K_123.1 116.05,75.09 K_137.1 106.52,51.28 K_151.1 103.55,46.51 111.28,38.78 K_164.1 111.28,25.08 K_173.1
COL10: length 348.4
  Top w0.2: K_124.1 97.03,84.65 106.11,84.65 106.12,84.65 113.83,84.65 115.36,86.18 116.71,86.18 117.84,85.05 132.75,85.05 134.28,86.58 135.92,86.58 137.05,85.45 151.54,85.45 153.14,87.05 155.15,87.05 156.32,85.87 159.92,85.87 165.04,90.99 166.11,90.99 167.64,89.47 167.64,89.04 168.71,87.98 168.71,87.09 169.93,85.87 170.17,85.87 171.87,87.57 174.49,87.57 175.81,86.25 178.36,86.25 183.53,91.42 185.4,91.42 186.11,92.14 190.72,92.14 192.15,90.71 192.15,89.19 194.69,86.65 197.66,86.65 203.66,92.64 209.85,92.64 211.6,90.89 211.6,89.39 213.94,87.05 216.23,87.05 218.98,89.8 v1(218.98,90.18) ; v1(268.79,93.44) 268.78,93.43 268.78,93.35 269.86,92.26 272.1,92.26 274.97,95.14 274.97,101.54 274.37,102.15 269.33,102.15 268.66,102.82 U2.10
  Bottom w0.2: K_174.1 K_165.1 92.23,38.78 84.5,46.51 K_152.1 87.47,51.28 K_138.1 97,75.09 K_124.1 97,95.18 95.1,97.08 88.79,97.08 77.95,107.92 K_110.1 ; v1(218.98,90.18) 222.05,93.26 268.61,93.26 v1(268.79,93.44)
